# Altium PCB drac_v2.PcbDoc (part 2 of 5)
Units mm, origin at the board's own origin, x right, y up, seen from the top; angles counter-clockwise.
Board outline 160 x 214.5 mm, 4 copper layers (Top Layer, Mid Layer 1, Mid Layer 2, Bottom Layer), stack 1.57 mm thick; 345 components, 219 nets, 1278 pads, 816 vias.
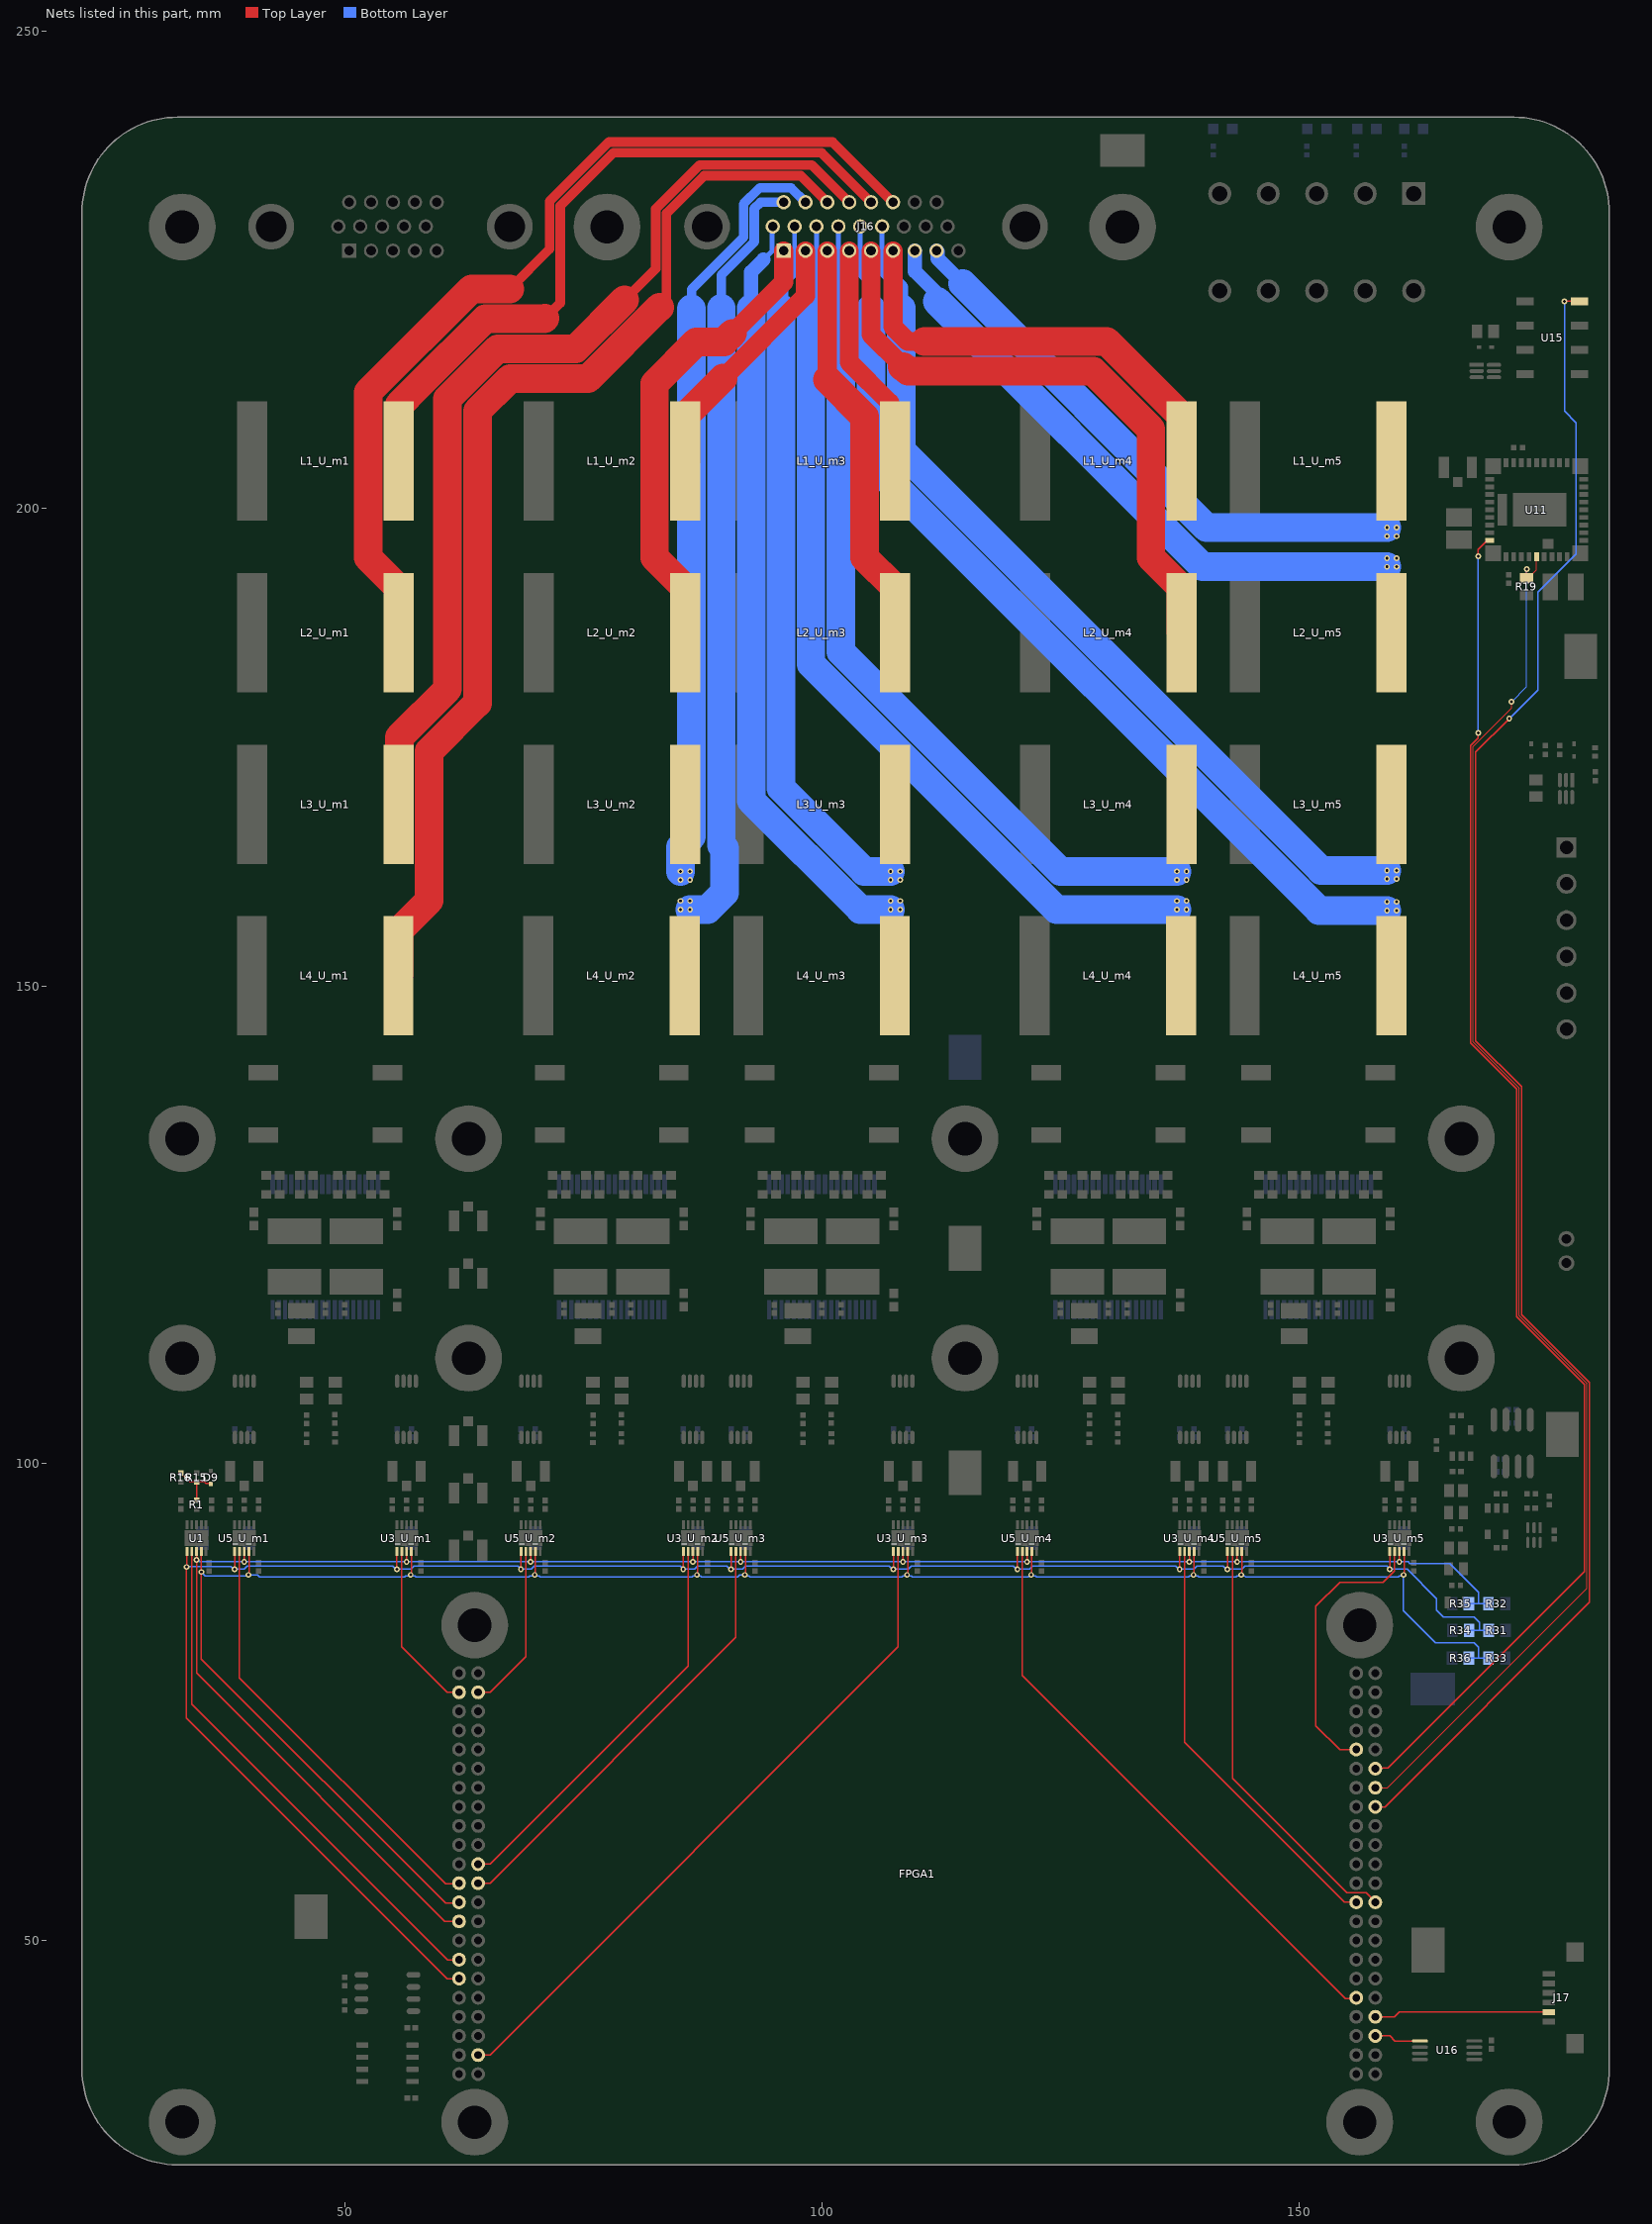
[diagram p4: the nets of this part, all layers, seen from the top]

## Part data
C1 C2 C3 C9_U_m1 C9_U_m2 C9_U_m3 C9_U_m4 C9_U_m5 C10_U_m1 C10_U_m2 C10_U_m3 C10_U_m4 C10_U_m5 C11_U_m1 C11_U_m2 C11_U_m3 C11_U_m4 C11_U_m5 C12_U_m1 C12_U_m2 C12_U_m3 C12_U_m4 C12_U_m5 C13_U_m1 C13_U_m2 C13_U_m3 C13_U_m4 C13_U_m5 C19_U_m1 C19_U_m2 C19_U_m3 C19_U_m4 C19_U_m5 C20_U_m1 C20_U_m2 C20_U_m3 C20_U_m4 C20_U_m5 C29_U_m1 C29_U_m2 C29_U_m3 C29_U_m4 C29_U_m5 C30_U_m1 C30_U_m2 C30_U_m3 C30_U_m4 C30_U_m5 C31_U_m1 C31_U_m2 C31_U_m3 C31_U_m4 C31_U_m5 C32_U_m1 C32_U_m2 C32_U_m3 C32_U_m4 C32_U_m5 C34_U_m1 C34_U_m2 C34_U_m3 C34_U_m4 C34_U_m5 C35 C36 C48 C50 C53: library part 04023C104KAT2A, "CAP CER 0.1UF 25V X7R 0402", Device Package="0402 (1005 Metric)", Manufacturer="AVX Corporation", Operating Temperature="-55°C ~ 125°C", Supplier Part Number 1=478-7868-1-ND, Temperature Coefficient=X7R, Tolerance=±10%, Voltage - Rated=25V, Applications="General Purpose", Capacitance=0.1µF, ComponentLink1Description=Datasheet, ComponentLink1URL=http://datasheets.avx.com/X7RDielectric.pdf, ComponentLink2Description="DigiKey Link", ComponentLink2URL=http://digikey.com/product-detail/en/avx-corporation/04023C104KAT2A/478-7868-1-ND/3881491, LastUpdated="9/2/2020 1:02:21 AM", Lifecycle Status=Active, Minimum Order=1, Mounting Type="Surface Mount, MLCC", Package / Case="0402 (1005 Metric)", Packaging=CutTape, Part Number=04023C104KAT2A, Part Status=Active, PartId=3190, Price=0.13, Series=-, Size / Dimension="0.039\" L x 0.020\" W (1.00mm x 0.50mm)", Supplier 1=DigiKey, Thickness (Max)="0.022\" (0.55mm)"
C4 C14_U_m1 C14_U_m2 C14_U_m3 C14_U_m4 C14_U_m5 C33_U_m1 C33_U_m2 C33_U_m3 C33_U_m4 C33_U_m5 C37 C38: library part CMP-13271-001427-1, "CL21 Series 0805 10uF 6.3V ±10% Tolerance X7R Multilayer Ceramic Chip Capacitor", Capacitance=10uF, Case Code (Imperial)=0805, Case Code (Metric)=2012, Dielectric=X7R, Max Operating Temperature=125°C, Min Operating Temperature=-55°C, Package Quantity=3000, Tolerance=10%, Voltage=6.3V, Case/Package=0805, Depth=1.25mm, Height=1.25mm, Lead Free="Lead Free", Length=2mm, Mount="Surface Mount", Packaging="Tape and Reel", Thickness=0.055inch, Voltage Rating=6.3V, Width=0.049inch
C5_U_m1 C5_U_m2 C5_U_m3 C5_U_m4 C5_U_m5 C6_U_m1 C6_U_m2 C6_U_m3 C6_U_m4 C6_U_m5 C7_U_m1 C7_U_m2 C7_U_m3 C7_U_m4 C7_U_m5 C8_U_m1 C8_U_m2 C8_U_m3 C8_U_m4 C8_U_m5 C21_U_m1 C21_U_m2 C21_U_m3 C21_U_m4 C21_U_m5 C22_U_m1 C22_U_m2 C22_U_m3 C22_U_m4 C22_U_m5 C23_U_m1 C23_U_m2 C23_U_m3 C23_U_m4 C23_U_m5 C24_U_m1 C24_U_m2 C24_U_m3 C24_U_m4 C24_U_m5: library part 06031C104KAT2A, "CAP CER 0.1UF 100V X7R 0603", Device Package="0603 (1608 Metric)", Manufacturer="AVX Corporation", Operating Temperature="-55°C ~ 125°C", Supplier Part Number 1=478-10047-1-ND, Temperature Coefficient=X7R, Tolerance=±10%, Voltage - Rated=100V, Applications="General Purpose", Capacitance=0.1µF, ComponentLink1Description=Datasheet, ComponentLink1URL=http://datasheets.avx.com/X7RDielectric.pdf, ComponentLink2Description="DigiKey Link", ComponentLink2URL=http://digikey.com/product-detail/en/avx-corporation/06031C104KAT2A/478-10047-1-ND/6564270, LastUpdated="9/2/2020 1:03:14 AM", Lifecycle Status=Active, Minimum Order=1, Mounting Type="Surface Mount, MLCC", Package / Case="0603 (1608 Metric)", Packaging=TapeAndReel, Part Number=06031C104KAT2A, Part Status=Active, PartId=14077, Price=0.03, Series=-, Size / Dimension="0.063\" L x 0.032\" W (1.60mm x 0.81mm)", Supplier 1=DigiKey, Thickness (Max)="0.037\" (0.94mm)"
C15_U_m1 C15_U_m2 C15_U_m3 C15_U_m4 C15_U_m5 C16_U_m1 C16_U_m2 C16_U_m3 C16_U_m4 C16_U_m5 C17_U_m1 C17_U_m2 C17_U_m3 C17_U_m4 C17_U_m5: library part TMK107B7105KA-T, "CAP CER 1UF 25V X7R 0603", Device Package="0603 (1608 Metric)", Manufacturer="Taiyo Yuden", Operating Temperature="-55°C ~ 125°C", Supplier Part Number 1=587-2984-1-ND, Temperature Coefficient=X7R, Tolerance=±10%, Voltage - Rated=25V, Applications="General Purpose", Capacitance=1µF, ComponentLink1Description=Datasheet, ComponentLink1URL=https://www.yuden.co.jp/productdata/catalog/mlcc01_e.pdf, ComponentLink2Description="DigiKey Link", ComponentLink2URL=http://digikey.com/product-detail/en/taiyo-yuden/TMK107B7105KA-T/587-2984-1-ND/2714177, LastUpdated="9/2/2020 1:03:30 AM", Lifecycle Status=Active, Minimum Order=1, Mounting Type="Surface Mount, MLCC", Package / Case="0603 (1608 Metric)", Packaging=TapeAndReel, Part Number=TMK107B7105KA-T, Part Status=Active, PartId=5586, Price=0.01, Series=M, Size / Dimension="0.063\" L x 0.031\" W (1.60mm x 0.80mm)", Supplier 1=DigiKey, Thickness (Max)="0.035\" (0.90mm)"
C18_U_m1 C18_U_m2 C18_U_m3 C18_U_m4 C18_U_m5 C27: library part CMP-13271-003818-1, "Cap Ceramic 22uF 16V X7R ±20% SMD 1210 +125°C Embossed T/R", Capacitance=22uF, Case Code (Imperial)=1210, Case Code (Metric)=3225, Dielectric=X7R, Max Operating Temperature=125°C, Min Operating Temperature=-55°C, Package Quantity=1, Tolerance=20%, Voltage Rating=16V, Case/Package=1210, Depth=2.5mm, Height=2.5mm, Length=3.2mm, Mount="Surface Mount", Packaging="Tape and Reel", Radiation Hardening=No, Thickness=0.106inch, Width=0.098inch
C25_U_m1 C25_U_m2 C25_U_m3 C25_U_m4 C25_U_m5 C26_U_m1 C26_U_m2 C26_U_m3 C26_U_m4 C26_U_m5: library part CMP-06035-003571-1, "CAP CER 22UF 100V X7R SMD", Capacitance=22uF, Case/Package=SMD/SMT, Max Operating Temperature=125°C, Min Operating Temperature=-55°C, Tolerance=20%, Voltage Rating=100V, Lead/Base Style=J-Lead, Mount="Surface Mount", Packaging="Cut Tape", Supplier 1="Arrow Electronics", Supplier Part Number 1=KRM55WR72A226MH01L
C40 C41 C42 C43 C47 C49 C52: library part GRM155R70J105KA12J, "CAP CER 1UF 6.3V X7R 0402", Device Package="0402 (1005 Metric)", Manufacturer="Murata Electronics", Operating Temperature="-55°C ~ 125°C", Supplier Part Number 1=490-13339-1-ND, Temperature Coefficient=X7R, Tolerance=±10%, Voltage - Rated=6.3V, Applications="General Purpose", Capacitance=1µF, ComponentLink1Description=Datasheet, ComponentLink1URL=https://search.murata.co.jp/Ceramy/image/img/A01X/G101/ENG/GRM155R70J105KA12-01.pdf, ComponentLink2Description="DigiKey Link", ComponentLink2URL=http://digikey.com/product-detail/en/murata-electronics/GRM155R70J105KA12J/490-13339-1-ND/5973350, LastUpdated="9/2/2020 1:02:22 AM", Lifecycle Status=Active, Minimum Order=1, Mounting Type="Surface Mount, MLCC", Package / Case="0402 (1005 Metric)", Packaging=TapeAndReel, Part Number=GRM155R70J105KA12J, Part Status=Active, PartId=2890, Price=0.01, Series=GRM, Size / Dimension="0.039\" L x 0.020\" W (1.00mm x 0.50mm)", Supplier 1=DigiKey, Thickness (Max)="0.022\" (0.55mm)"
C44: library part CMP-06035-040230-1, "Chip Multilayer Ceramic Capacitors for General Purpose, 1210, 100uF, X5R, 15%, 20%, 10V", Capacitance=100uF, Case Code (Imperial)=1210, Case Code (Metric)=3225, Dielectric=X5R, Max Operating Temperature=85°C, Min Operating Temperature=-55°C, Package Quantity=4000, Tolerance=20%, Voltage Rating=10V, Case/Package=1210, Length=0.126inch, Mount="Surface Mount", Packaging="Tape and Reel", Termination=SMD/SMT, Thickness=0.106inch, Voltage Rating (DC)=10V, Weight=0.00388oz, Width=0.098inch
C51: library part 04023C104KAT2A, "CAP CER 0.1UF 25V X7R 0402", Capacitance=0.1µF, Device Package="0402 (1005 Metric)", Manufacturer="AVX Corporation", Operating Temperature="-55°C ~ 125°C", Supplier Part Number 1=478-7868-1-ND, Temperature Coefficient=X7R, Tolerance=±10%, Voltage - Rated=25V, Applications="General Purpose", ComponentLink1Description=Datasheet, ComponentLink1URL=http://datasheets.avx.com/X7RDielectric.pdf, ComponentLink2Description="DigiKey Link", ComponentLink2URL=http://digikey.com/product-detail/en/avx-corporation/04023C104KAT2A/478-7868-1-ND/3881491, LastUpdated="9/2/2020 1:02:21 AM", Lifecycle Status=Active, Minimum Order=1, Mounting Type="Surface Mount, MLCC", Package / Case="0402 (1005 Metric)", Packaging=CutTape, Part Number=04023C104KAT2A, Part Status=Active, PartId=3190, Price=0.13, Series=-, Size / Dimension="0.039\" L x 0.020\" W (1.00mm x 0.50mm)", Supplier 1=DigiKey, Thickness (Max)="0.022\" (0.55mm)"
D1_U_m1 D1_U_m2 D1_U_m3 D1_U_m4 D1_U_m5 D2_U_m1 D2_U_m2 D2_U_m3 D2_U_m4 D2_U_m5 D3: "LED"
D4 D9 D10 D11: library part CMP-1063-00098-1, "Transient Voltage Suppressor, Micro-Packaged Diode for ESD Protection, 2-Pin SOD-523, Pb-Free, Tape and Reel", Manufacturer="On Semiconductor", ComponentLink1Description="Manufacturer URL", ComponentLink1URL=http://www.onsemi.com/, ComponentLink2Description=Datasheet, ComponentLink2URL=http://www.onsemi.cn/pub_link/Collateral/ESD5Z2.5T1-D.PDF, ComponentLink3Description="Package Specification", ComponentLink3URL=http://www.onsemi.com/pub_link/Collateral/502-01.PDF, DatasheetVersion="Rev. 10", Direction=Unidirectional, IR Max (uA)=0.05, Mounting Technology="Surface Mount", Number of Lines=1, PackageDescription="2-Pin SOD, Body 1.2 x 0.8 mm", PackageReference=SOD-523-2-502-01, PackageVersion="Rev. E, 09/2010", Packing="Tape and Reel", PartNumber=ESD5Z3.3T1G, PPK Max (W)=158, RoHS=Pb-Free, V(BR) Min (V)=5, VRWM Max (V)=3.3
D12 D13 D14 D15: library part CMP-2000-06629-2, "LED GREEN CLEAR CHIP SMD R/A", Case Code (Imperial)=0603, Case Code (Metric)=1608, Color=Green, Forward Current=30mA, Forward Voltage=2V, Lens Color=Colorless, Max Operating Temperature=85°C, Min Operating Temperature=-55°C, Package Quantity=1, Power Dissipation=75mW, Reverse Voltage=5V, Test Current=20mA, Case/Package=0603, Depth=0.6mm, Dominant Wavelength=571nm, Height=0.6mm, Illumination Color=Green, Lead Free="Lead Free", Length=1.6mm, Lens Style=Diffused, Lens Transparency=Clear, Luminous Intensity=71mcd, Mount="Surface Mount", Number of Elements=1, Number of LEDs=1, Number of Pins=2, Packaging="Tape and Reel", Power Rating=75mW, Radiation Hardening=No, Viewing Angle=130°, Wavelength=574nm, Width=1.15mm
FB1: library part CMP-0686-00665-3, "Chip Ferrite Bead, 0805, 1000Ω @ 100MHz, 0.27Ω, 25%, 600mA", Case Code (Imperial)=0805, Case Code (Metric)=2012, Current Rating=500mA, DC Current=200mA, DC Resistance (DCR)=280mR, Frequency=100MHz, Max Current Rating=600mA, Max Operating Temperature=125°C, Min Operating Temperature=-55°C, Package Quantity=1, Tolerance=25%, Case/Package=0805, Core Material=Ferrite, Depth=1.25mm, Height=0.85mm, Impedance=1kR, Lead Free="Lead Free", Length=2mm, Material=Steel, Max DC Current=200mA, Military Standard=Not, Number of Circuits=1, Number of Lines=1, Number of Pins=2, Packaging="Tape and Reel", Radiation Hardening=No, REACH SVHC="No SVHC", Shielding=Unshielded, Termination=SMD/SMT, Test Frequency=100MHz, Weight=0.000194oz, Width=1.25mm
FPGA1: library part fpga_dummy, ClassName=noclearancecheck
J1_U_m1 J1_U_m2 J1_U_m3 J1_U_m4 J1_U_m5 J2_U_m1 J2_U_m2 J2_U_m3 J2_U_m4 J2_U_m5 J6 J7 J8 J9 J10 J11: library part CMP-2000-07505-1, "Ultra Miniature Coaxial Connector Jack, 60 V, 50 Ohm, -40 to 90 degC, RoHS, Tape and Reel", Case\/Package=SMD/SMT, Dielectric Material=Polymer, Housing Colour=Beige, Manufacturer="TE Connectivity", Max Frequency=6GHz, Max Operating Temperature=90degC, Min Operating Temperature=-40degC, Package Description="3-Pin Surface Mount Device, Body 2.6 x 2.6 mm", Package Quantity=1, Package Reference=TECO-1909763-1, Body Material=LiquidCrystalPolymer, Body Plating=Gold, Connector Type=Jack, Contact Material=CopperAlloy, Contact Plating=Gold, Datasheet URL=http://www.te.com/commerce/DocumentDelivery/DDEController?Action=srchrtrv&DocNm=1909763&DocType=Customer+Drawing&DocLang=English, Datasheet Version="Rev. B2, 11/2015", ELV=Compliant, Fastening Type=Pull, Gender=Female, Impedance=50Ohm, Insulation Material=Thermoplastic, Lead Free=LeadFree, Length=3mm, Manufacturer URL=http://www.te.com/, Mount=SurfaceMount, Mounting Technology=SurfaceMount, Orientation=Straight, Packaging=TapeandReel, PCB Mounting Orientation=Vertical, Radiation Hardening=No, RoHSCompliant=true, Termination=SMD/SMT
J3: library part 618015325223, "WR-DSUB Female High Density Angled PCB Connector without Hex Screw, 15p", Manufacturer="Wurth Electronics", Supplier Part Number 1=732-618015325223-ND, Category="D-Sub Connectors", ComponentLink1Description=Manufacturer, ComponentLink1URL=http://www.we-online.de, ComponentLink2Description=Datasheet, ComponentLink2URL=http://katalog.we-online.de/em/datasheet/6180xx325223.pdf, Manufacturer Part Number=618015325223, PartNumber=618015325223, PinNumber=15, Pricing 1="1=4.02000, 10=3.81000, 50=3.38400, 100=2.95200, 250=2.53200, 500=2.25600 (USD)", Published="June 2016", Publisher="Wurth Elektronik", RoHS=Yes, RoHS Compliant=Yes, Stock 1=157, Supplier 1=Digi-Key
J4: library part CMP-1502-01867-1, "Serie 321 - 3.81mm Vertical PCB Header WR-TBL, 6 pin", Manufacturer="Wurth Elektronik", Operating Temperature=-40to105degC, Datasheet URL=http://katalog.we-online.de/em/datasheet/6913213000xx.pdf, Gender=Male, Manufacturer URL=http://www.we-online.de, Mounting Technology=THT, Package Reference=691321300006, Packaging=Box, Part Number=691321300006, Pin Number=6, Pitch=3.81mm, Publisher=WurthElektronik
J5: library part "HEADER 2", "TE Connectivity MTA-100 Series, 2.54mm Pitch 2 Way 1 Row Straight PCB Header, Solder Termination, 5A", Color=Natural,White,Beige, Colour=White,Natural,Beige, Contact Current Rating=5A, Contact Resistance=6mR, Flammability Rating="UL94 V-0", Housing Color=Natural, Manufacturer="TE Connectivity", Manufacturer Part Number=640457-2, Max Operating Temperature=221°C, Max Voltage Rating (AC)=250V, Min Operating Temperature=-67°C, Package Quantity=1, Supplier Part Number 1=A19423-ND, Approvals=CSA, Backwall/Post Interruptions="No (Without)", Category=Connectors, ComponentLink1Description=https://datasheet.ciiva.com/709/eng-cd-640457-s2-709682.pdf, ComponentLink1URL=https://datasheet.ciiva.com/709/eng-cd-640457-s2-709682.pdf, ComponentLink2Description=https://datasheet.ciiva.com/14640/70083657-14640359.pdf, ComponentLink2URL=https://datasheet.ciiva.com/14640/70083657-14640359.pdf, ComponentLink3Description=https://datasheet.ciiva.com/3118/eng-ds-82056-mta-0608-3118505.pdf, ComponentLink3URL=https://datasheet.ciiva.com/3118/eng-ds-82056-mta-0608-3118505.pdf, ComponentLink4Description=https://datasheet.ciiva.com/11750/0900766b806a960f-11750281.pdf, ComponentLink4URL=https://datasheet.ciiva.com/11750/0900766b806a960f-11750281.pdf, ComponentLink5Description=https://datasheet.ciiva.com/30192/8852eng-ds-82056-mta-0608-30192537.pdf, ComponentLink5URL=https://datasheet.ciiva.com/30192/8852eng-ds-82056-mta-0608-30192537.pdf, ComponentLink6Description=https://datasheet.ciiva.com/16395/eng-ds-82056-mta-0608-16395963.pdf, ComponentLink6URL=https://datasheet.ciiva.com/16395/eng-ds-82056-mta-0608-16395963.pdf, ComponentLink7Description=https://datasheet.ciiva.com/25618/0900766b80e9e25b-25618125.pdf, ComponentLink7URL=https://datasheet.ciiva.com/25618/0900766b80e9e25b-25618125.pdf, ComponentLink8Description=https://datasheet.ciiva.com/16505/eng-ds-82056-mta-0608-16505423.pdf, ComponentLink8URL=https://datasheet.ciiva.com/16505/eng-ds-82056-mta-0608-16505423.pdf, ComponentLink9Description=https://datasheet.ciiva.com/16656/eng-ds-82056-mta-0608-16656527.pdf, ComponentLink9URL=https://datasheet.ciiva.com/16656/eng-ds-82056-mta-0608-16656527.pdf, ComponentLink10Description=https://datasheet.ciiva.com/15175/getdatasheetpartid-46749-15175703.pdf?src-supplier=Verical, ComponentLink10URL=https://datasheet.ciiva.com/15175/getdatasheetpartid-46749-15175703.pdf?src-supplier=Verical, ComponentLink11Description=https://datasheet.ciiva.com/16394/eng-ds-82056-mta-0608-16394202.pdf?src-supplier=Future+Electronics, ComponentLink11URL=https://datasheet.ciiva.com/16394/eng-ds-82056-mta-0608-16394202.pdf?src-supplier=Future+Electronics, ComponentLink12Description=https://datasheet.ciiva.com/6045/1650873-6045536.pdf?src-supplier=Farnell, ComponentLink12URL=https://datasheet.ciiva.com/6045/1650873-6045536.pdf?src-supplier=Farnell, ComponentLink13Description=https://datasheet.ciiva.com/11746/0900766b806b3bd3-11746906.pdf?src-supplier=RSComponents, ComponentLink13URL=https://datasheet.ciiva.com/11746/0900766b806b3bd3-11746906.pdf?src-supplier=RSComponents, ComponentLink14Description=https://datasheet.ciiva.com/7703/eng-ds-82056-mta-0608-7703518.pdf?src-supplier=Element14, ComponentLink14URL=https://datasheet.ciiva.com/7703/eng-ds-82056-mta-0608-7703518.pdf?src-supplier=Element14, ComponentLink15Description=https://datasheet.ciiva.com/3118/eng-ds-82056-mta-0608-3118490.pdf?src-supplier=Avnet, ComponentLink15URL=https://datasheet.ciiva.com/3118/eng-ds-82056-mta-0608-3118490.pdf?src-supplier=Avnet, ComponentLink16Description=https://datasheet.ciiva.com/709/eng-cd-640454-y2-709679.pdf?src-supplier=Digi-Key, ComponentLink16URL=https://datasheet.ciiva.com/709/eng-cd-640454-y2-709679.pdf?src-supplier=Digi-Key, ComponentLink17Description=https://datasheet.ciiva.com/16684/eng-ds-82056-mta-0608-16684984.pdf?src-supplier=Avnet+Europe, ComponentLink17URL=https://datasheet.ciiva.com/16684/eng-ds-82056-mta-0608-16684984.pdf?src-supplier=Avnet+Europe, Connector System=Wire-to-Board, Connector Type=Plug,Header,Pin, Contact Gender=Male, Contact Material="Copper Alloy", Contact Mating Length=0.295inch, Contact Plating=Tin, Contact Post Length=3.56mm, Contact Retention="No (Without)", Contact Shape=Square, Contact Style=Straight, Contact Type="Male Pin", Current Rating=5A, Depth=11.04mm, ELV=Compliant, Fastening Type=Friction, Gender=Male, Height=7.75mm, Housing Material=Polyester, Lead Free="Lead Free", Length=5.08mm, Mating Alignment="No (Without)", Mating Retention="No (Without)", Mount="Through Hole", Number of Contacts=2, Number of Positions=2, Number of Rows=1, Orientation="Right Angle", Packaging=Bulk, PCB Mount Alignment="No (Without)", PCB Mount Retention=Without, PCB Mounting Orientation=Vertical, PCB Thickness=0.063inch, Pitch=2.54mm, Plating Thickness=3.81um, Pricing 1="1=0.14, 10=0.127, 100=0.0783, 500=0.06482, 1000=0.05672, 5000=0.04862, 10000=0.04727 (USD)", Pricing 2="1=0.10000, 10=0.09400, 100=0.05800, 500=0.04802, 1000=0.04202, 5000=0.03601, 10000=0.03501 (USD)", Radiation Hardening=No, REACH SVHC=Unknown, RoHS=Yes, RoHS Compliant=Yes, Sealable="No (Without)", Series=MTA-100, Shrouded="No (Without)", Stock 1=10901, Stock 2=28315, Strain Relief="No (Without)", Supplier 1=Digi-Key, system=connector, Tail Length=3.56mm, Termination=Solder, Termination Post Length=3.56mm, Underplate Material=Nickel, Voltage Rating=250V
J16: library part 618026325223, "WR-DSUB Female High Density Angled PCB Connector without Hex Screw, 26p", Manufacturer="Wurth Electronics", Supplier Part Number 1=732-618026325223-ND, ComponentLink1Description=Manufacturer, ComponentLink1URL=http://www.we-online.de, ComponentLink2Description=Datasheet, ComponentLink2URL=http://katalog.we-online.de/em/datasheet/6180xx325223.pdf, Manufacturer Part Number=618026325223, PartNumber=618026325223, PinNumber=26, Pricing 1="1=8.10000, 10=7.69500, 50=7.15500, 100=6.75000, 250=6.21000, 500=5.40002 (USD)", Published="June 2016", Publisher="Wurth Elektronik", RoHS=Yes, RoHS Compliant=Yes, Stock 1=325, Supplier 1=Digi-Key, system=connector
J17: library part CMP-1502-01513-1, "SMT ZIF Connectors Hinge Type WR-FPC, Horizontal, Bottom Contact, pitch 1 mm, 6 pins", Contact Resistance=50mOhm, Manufacturer="Wurth Elektronik", Operating Temperature=-40to105degC, Rated Current=1A, Withstanding Voltage=500VAC, Working Voltage=100VAC, Contact Design=BottomContact, Datasheet URL=https://katalog.we-online.de/em/datasheet/686106148922.pdf, Manufacturer URL=http://www.we-online.de, Mounting Technology=SMT, Orientation=Horizontal, Package Reference=686106148922, Packaging=TapeandReel, Part Number=686106148922, Pin Number=6, Pitch=1mm, Publisher=WurthElektronik
L1_U_m1 L1_U_m2 L1_U_m3 L1_U_m4 L1_U_m5 L2_U_m1 L2_U_m2 L2_U_m3 L2_U_m4 L2_U_m5 L3_U_m1 L3_U_m2 L3_U_m3 L3_U_m4 L3_U_m5 L4_U_m1 L4_U_m2 L4_U_m3 L4_U_m4 L4_U_m5: library part Ind_0805, "FIXED IND 100UH 5.3A 118 MOHM", Case Code (Imperial)=0805, Case Code (Metric)=2012, Current Rating=6A, DC Resistance (DCR)=10mR, Inductance=100uH, Inductance Tolerance=20%, Manufacturer=TDK, Manufacturer Part Number=MPZ2012S300AT000, Max Operating Temperature=150°C, Min Operating Temperature=-40°C, Package Quantity=1, Ratings=AEC-Q200, Resistor Type=Wirewound, RMS Current (Irms)=5.3A, Saturation Current=6.5A, Self Resonant Frequency=2MHz, Supplier Part Number 1=SRP1770TA-101MCT-ND, Test Frequency=100kHz, Case/Package=0805, Category="Fixed Inductors", ComponentLink1Description=https://datasheet.ciiva.com/46381/1750041-46381644.pdf, ComponentLink1URL=https://datasheet.ciiva.com/46381/1750041-46381644.pdf, ComponentLink2Description=https://datasheet.ciiva.com/48682/beads-commercial-power-mpz-en-48682508.pdf, ComponentLink2URL=https://datasheet.ciiva.com/48682/beads-commercial-power-mpz-en-48682508.pdf, ComponentLink3Description=https://datasheet.ciiva.com/8077/55169-8077085.pdf, ComponentLink3URL=https://datasheet.ciiva.com/8077/55169-8077085.pdf, ComponentLink4Description=https://datasheet.ciiva.com/8077/55169-8077086.pdf, ComponentLink4URL=https://datasheet.ciiva.com/8077/55169-8077086.pdf, ComponentLink5Description=https://datasheet.ciiva.com/46634/beads-commercial-power-mpz-en-46634590.pdf, ComponentLink5URL=https://datasheet.ciiva.com/46634/beads-commercial-power-mpz-en-46634590.pdf, ComponentLink6Description=https://datasheet.ciiva.com/46634/beads-commercial-power-mpz-en-46634367.pdf, ComponentLink6URL=https://datasheet.ciiva.com/46634/beads-commercial-power-mpz-en-46634367.pdf, ComponentLink7Description=http://www.farnell.com/datasheets/2360566.pdf?src-supplier=Farnell, ComponentLink7URL=http://www.farnell.com/datasheets/2360566.pdf?src-supplier=Farnell, ComponentLink8Description=http://www.farnell.com/datasheets/1955470.pdf?src-supplier=Element14, ComponentLink8URL=http://www.farnell.com/datasheets/1955470.pdf?src-supplier=Element14, ComponentLink9Description=http://www.bourns.com/docs/Product-Datasheets/SRP1770TA.pdf?src-supplier=Digi-Key, ComponentLink9URL=http://www.bourns.com/docs/Product-Datasheets/SRP1770TA.pdf?src-supplier=Digi-Key, ComponentLink10Description=https://www.bourns.com/docs/Product-Datasheets/SRP1770TA.pdf?src-supplier=Digi-Key, ComponentLink10URL=https://www.bourns.com/docs/Product-Datasheets/SRP1770TA.pdf?src-supplier=Digi-Key, Core Material=Ferrite, Depth=1.25mm, Height=0.041inch, Height - Seated (Max)=0.276inch, Impedance=30R, Lead Free="Lead Free", Length=0.079inch, Max DC Current=6A, Mount="Surface Mount", Number of Pins=3, Packaging="Tape and Reel", Pricing 1="1=0.11, 10=0.091, 25=0.0704, 50=0.0584, 100=0.0503, 250=0.04028, 500=0.03624, 1000=0.0302 (USD)", Pricing 2="1=4.17000, 10=3.82200, 25=3.47520, 50=2.91900, 100=2.50200 (USD)", REACH SVHC="No SVHC", RoHS=Yes, RoHS Compliant=Yes, Shielding=Shielded, Stock 1=117704, Stock 2=17, Supplier 1=Digi-Key, Tolerance=20%, Width=0.049inch
L5 L6: library part CMP-2000-06589-1, "Chip Inductor, 1.0 uH, +/- 20%, -55 to 125 degC, 2-Pin SMD (0805), RoHS, Tape and Reel", Case Size/Dimension=0805, DC Resistance=0.19, Inductance-Nom=1H, Manufacturer=Murata, Package Description="2-Pin Surface Mounted Device, Body 2 x 1.25 mm", Rated Current-Max=800mA, Tolerance (%)=20%, Datasheet URL=https://datasheet.ciiva.com/3866/336lqm21pn1r0mc023-3866307.pdf, Datasheet Version=07/2014, Manufacturer URL=http://www.murata.com/, Mounting Technology=SurfaceMount, Package Reference=0805
P1: library part CMP-1502-02269-1, "Serie 3315 - 5.08mm Double Level Horizontal Male PCB Header with Flanges WR-TBL, 10 pin", Manufacturer="Wurth Elektronik", Operating Temperature=-40to105degC, Datasheet URL=http://katalog.we-online.de/em/datasheet/6913315100xx.pdf, Gender=Male, Manufacturer URL=http://www.we-online.de, Mounting Technology=THT, Package Reference=691331510010, Packaging=Box, Part Number=691331510010, Pin Number=10, Pitch=5.08mm, Publisher=WurthElektronik
Q1 Q2: library part CMP-12801-000100-1, "MOSFET 2N-CH 30V 1A SOT363", Case/Package=SOT-363, Continuous Drain Current (ID)=1A, Drain to Source Resistance=190mR, Drain to Source Voltage (Vdss)=30V, Gate to Source Voltage (Vgs)=20V, Input Capacitance=87pF, Max Operating Temperature=150°C, Max Power Dissipation=320mW, Min Operating Temperature=-55°C, Package Quantity=3000, Element Configuration=Dual, Fall Time=15.6ns, FET Type="2 N-Channel", Height=1mm, Lead Free="Lead Free", Length=2.2mm, Mount="Surface Mount", Number Of Channels=2, Number of Pins=6, Packaging="Tape and Reel", Radiation Hardening=No, Rds On Max=190mR, Rise Time=8.9ns, Turn-Off Delay Time=30.3ns, Turn-On Delay Time=4.5ns, Weight=0.000212oz, Width=1.35mm